# Altium PCB PCB_SensorBoard.PcbDoc (part 2 of 2)
Units mm, origin at the board's own origin, x right, y up, seen from the top; angles counter-clockwise.
Board outline 90.42 x 62.7 mm, 4 copper layers (Top Layer, Layer 1, Layer 2, Bottom Layer), stack 1.586 mm thick; 112 components, 98 nets, 710 pads, 372 vias.
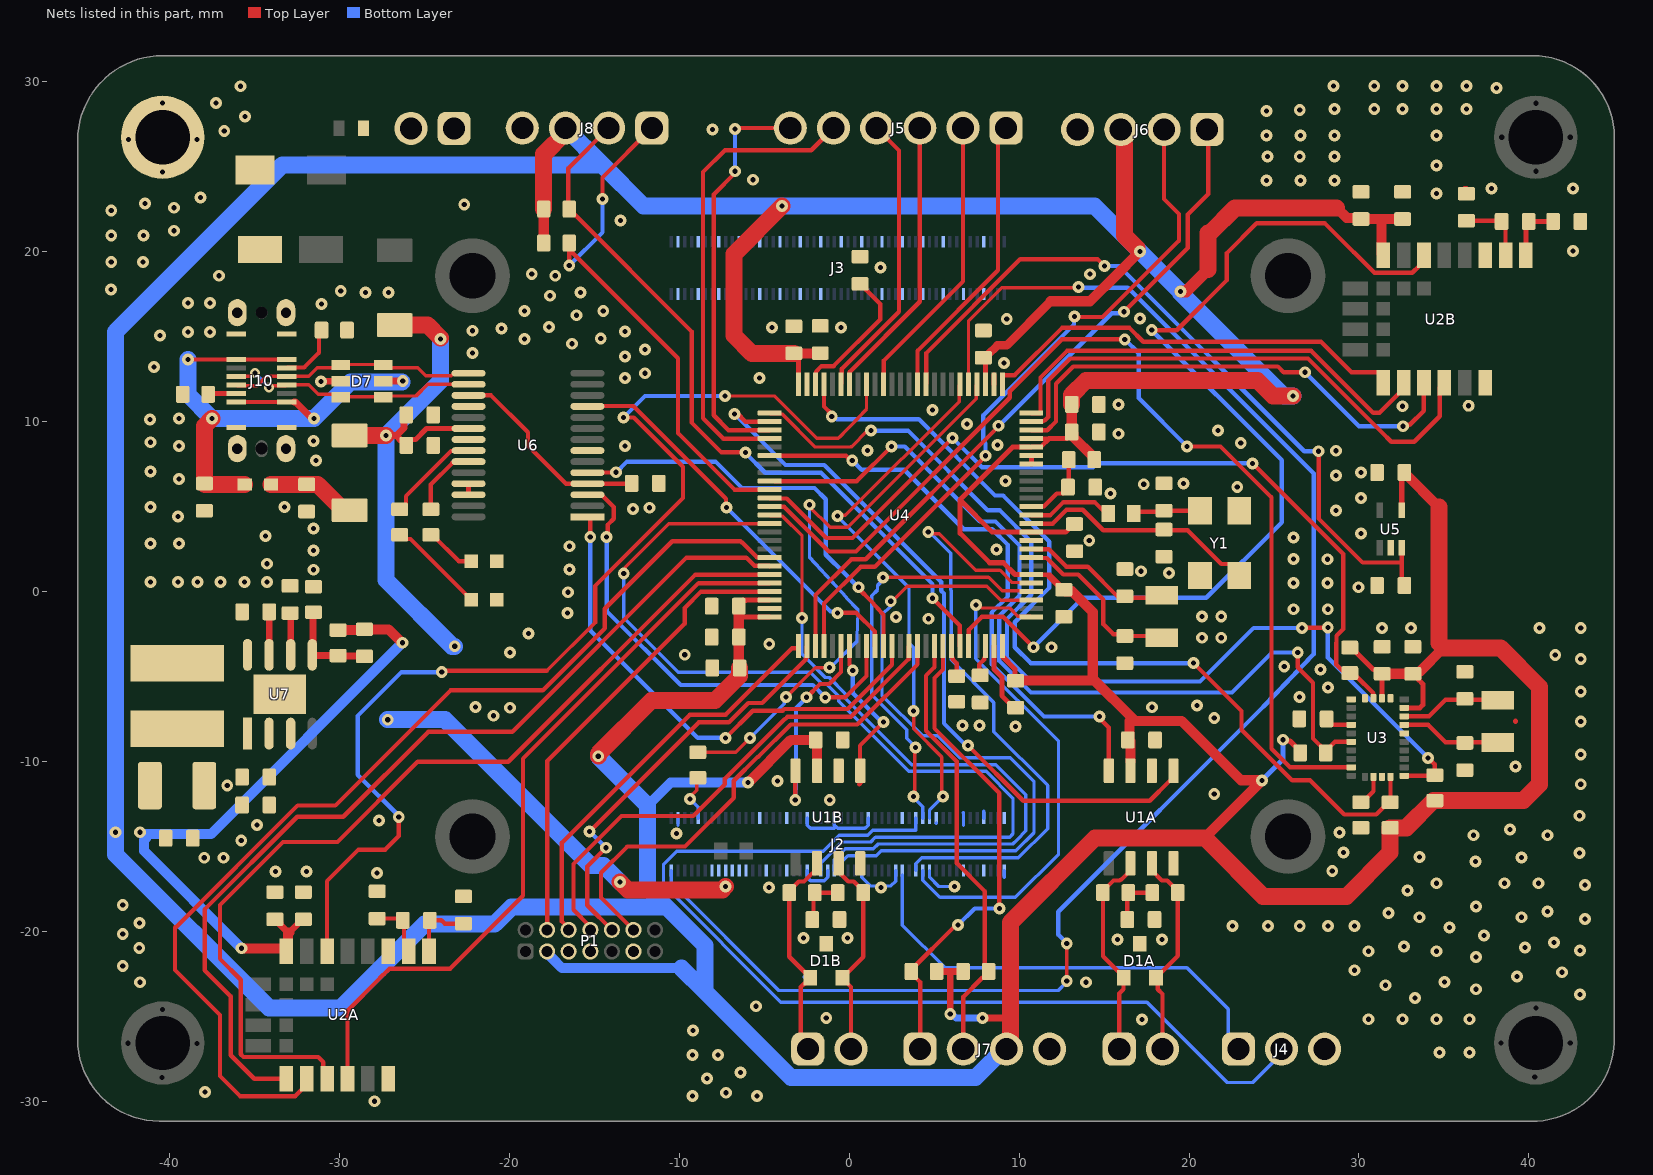
[diagram p4: the nets of this part, all layers, seen from the top]

## Via types
v1: diameter 0.7, hole 0.3, Top Layer to Bottom Layer, tented both sides, 370 vias
v2: diameter 0.6, hole 0.3, Top Layer to Bottom Layer, tented both sides, 2 vias

## Nets (pads, with @x,y where several pads share a name; then routed paths per layer and width w, separated by ;. In a path a pad name is that pad's centre, name@x,y a point inside that pad or via, vN(x,y) a via of type N, cw(c..) or ccw(c..) an arc to the next point about the centre after c; other vN are vias at no path point) (continued)
+3V3: C1A.2 C1B.2 C3A.2 C3B.2 C4A.1 C4B.1 C8.2 C9.2 C13.2 C22.2 C23.2 C24.2 C25.2 C26.2 C27.2 C28.2 C29.2 C30.2 C31.2 C32.2 C42.2 C47.2 C48.2 J6.3 J7.3 J8.3 L2.2 P1.3 R3.2 R4.2 R5.2 R6.2 R8.2 R13.2 R14.2 R15.2 R16.2 R20.2 U1A.3 U1B.3 U2A.8 U2B.8 U3.3 U3.28 U4.6 U4.11 U4.21 U4.22 U4.28 U4.50 U4.73 U4.75 U4.100 U5.4 | length 504.4
  Top Layer w0.254: U4.21@10.587,8.488 U4.21@10.719,8.488 10.742,8.511 11.292,8.511 11.769,8.988 U4.22@10.719,8.988 ; U4.6@10.994,0.988 11.713,0.988 11.782,0.919
  Top Layer w0.3: U4.75@-4.681,-1.512 -6.449,-1.512 -6.449,-0.916 C27.2@-6.494,-0.871 -6.494,-0.771 -6.244,-0.521 -6.077,-0.521 -6.068,-0.512 U4.73@-4.681,-0.512 ; U4.50@-2.981,12.188 C24.2@-2.981,13.783 ; 6.516,5.389 9.615,8.488 U4.21@10.587,8.488 ; U4.28@8.019,12.188 C23.2@8.019,13.751 ; U4.100@9.019,-3.212 9.019,-3.837 9.757,-4.575 9.757,-5.213 C30.2@9.793,-5.249 ; U4.6@10.994,0.988 U4.6@10.719,0.988 9.763,0.988 9.064,1.687 8.267,1.687 6.531,3.422 6.531,5.374 8.417,3.488 U4.11@10.719,3.488 12.74,3.488 12.915,3.664 12.915,3.716 13.117,3.918 C22.2@13.214,3.918 ; 11.648,-5.249 11.748,-5.249 ; 11.769,8.988 12.805,8.988 C32.2@12.987,9.171 ; v1(25.527,-8.731) 25.604,-8.808 25.947,-8.808 26.54,-9.401 R6.2@26.54,-9.501 ; R3.2@29.457,-3.301 29.557,-3.301 29.807,-3.551 29.807,-3.564 30.843,-4.601 31.015,-4.601 C9.2@31.357,-4.943 ; U3.3@31.357,-6.288 C9.2@31.357,-4.86 ; U5.4@32.516,4.771 32.516,6.846 C13.2@32.666,6.996 ; U3.28@32.669,-6.85 33.581,-6.85 33.757,-6.674 33.757,-5.443 33.515,-5.201 33.515,-5.101 33.265,-4.851 C8.2@33.165,-4.851
  Top Layer w0.4: C3A.2@-33.795,-19.298 -33.695,-19.298 -33.495,-19.498 -33.495,-19.598 -33.016,-20.077 -32.951,-20.077 -32.42,-19.546 -32.42,-19.498 -32.22,-19.298 C4A.1@-32.12,-19.298 ; C48.2@-28.575,-2.275 C48.2@-28.525,-2.225 ; R16.2@-18.025,20.45 -18.028,20.453 R16.2@-17.975,20.505 ; R14.2@5.15,-22.366 5.95,-22.366 ; v1(5.95,-24.875) 5.95,-22.366 ; R13.2@6.707,-22.366 5.95,-22.366 ; v1(7.834,-25.1) 9.482,-25.1 ; J7.3@9.253,-26.936 J7.3@9.482,-26.707 ; 11.782,0.919 C31.2@12.433,0.268 ; 21.127,21.085 21.227,21.085
  Top Layer w0.5: C23.2@7.996,13.852 8.046,13.902 8.146,13.902 8.722,14.478 9.272,14.478 11.864,17.07
  Top Layer w0.6: v1(-35.765,-21) -35.746,-21.019 -33.225,-21.019 -33.125,-21.119 U2A.8@-33.125,-21.175 -33.025,-21.075 -33.025,-20.151 -32.951,-20.077 ; R20.2@-30.075,-2.275 C48.2@-28.575,-2.275 ; C48.2@-28.525,-2.225 -28.335,-2.225 -28.325,-2.235 -27.106,-2.235 -26.319,-3.022 v1(-26.292,-3.022) ; R16.2@-17.975,20.505 R15.2@-17.975,22.5 ; C29.2@-6.494,-4.502 C26.2@-6.494,-2.689 C27.2@-6.494,-1.071 ; v1(-5.945,-11.252) -3.432,-8.739 C1B.2@-1.977,-8.739 -1.888,-8.828 U1B.3@-1.888,-10.557 ; C24.2@-3.261,14.007 -2.981,14.007 C25.2@-1.717,14.007 ; C23.2@7.896,13.752 C23.2@7.996,13.852 ; C30.2@9.793,-5.249 11.648,-5.249 ; 11.748,-5.249 14.332,-5.249 ; 11.864,17.07 14.169,17.07 15.765,18.666 v1@16.936,19.837 ; C31.2@12.633,0.106 12.733,0.006 13.112,0.006 14.332,-1.214 14.332,-5.249 ; C32.2@13.092,9.375 C32.2@13.095,9.371 ; C28.2@13.095,11.004 C32.2@13.095,9.371 ; R8.2@14.425,7.755 14.325,7.855 14.325,7.955 13.192,9.088 13.192,9.275 C32.2@13.095,9.371 ; 16.497,-7.62 16.497,-8.762 16.547,-8.812 U1A.3@16.547,-10.012 ; 20.924,-14.505 24.288,-11.141 v1(24.288,-11.116) 23.055,-11.116 19.559,-7.62 16.828,-7.62 16.662,-7.454 14.458,-5.249 14.332,-5.249 ; 28.675,22.575 29.271,21.979 30.055,21.979 C4B.1@30.12,21.913 31.325,21.913 ; C9.2@31.365,-4.851 C8.2@33.165,-4.851 33.265,-4.751 33.545,-4.751 34.977,-3.319 ; U2B.8@31.425,19.774 31.325,19.874 31.325,21.913 ; C3B.2@32.598,21.913 31.325,21.913 ; C13.2@32.666,6.996 34.7,4.962 ; R4.2@34.386,-12.309 R4.2@34.46,-12.309
  Top Layer w0.7: v1(19.506,17.654) 19.833,17.654 21.127,18.948
  Top Layer w1: R15.2@-17.975,22.5 -17.975,25.728 -16.695,27.008 J8.3@-16.695,27.265 ; v1(-14.766,-9.699) -14.766,-9.558 -11.634,-6.427 -7.896,-6.427 -6.452,-4.982 C29.2@-6.452,-4.502 ; v1(-3.953,22.673) -6.782,19.844 -6.782,15.06 -5.729,14.007 C24.2@-3.261,14.007 ; J7.3@9.482,-26.707 9.482,-25.1 9.482,-19.498 14.475,-14.505 20.924,-14.505 ; C28.2@13.095,11.004 13.095,11.568 13.936,12.409 24.03,12.409 24.94,11.499 v1(26.111,11.499) ; J6.3@15.983,27.18 16.165,26.998 16.165,26.326 16.189,26.301 16.189,20.944 v1@16.936,20.198 ; 21.127,18.948 21.127,21.085 ; 21.204,-14.785 24.363,-17.944 29.262,-17.944 31.834,-15.372 R5.2@31.834,-13.911 32.784,-13.911 R4.2@34.386,-12.309 ; 21.227,21.085 22.717,22.575 28.675,22.575 ; R4.2@34.46,-12.309 39.668,-12.309 40.627,-11.35 40.627,-5.627 38.319,-3.319 34.977,-3.319 34.7,-3.042 34.7,4.962
  Bottom Layer w0.3: v1(24.288,-11.116) 25.527,-9.877 v1(25.527,-8.731)
  Bottom Layer w0.4: v1(5.95,-24.875) 6.058,-24.875 6.283,-25.1 v1(7.834,-25.1)
  Bottom Layer w0.6: v1(-41.725,-14.175) -41.375,-14.525 ; -41.5,-14.668 -41.5,-15.265 v1(-35.765,-21) ; -41.375,-14.283 -37.552,-14.283 v1(-26.292,-3.022) ; P1.3@-17.774,-21.187 -17.774,-21.282 -17.479,-21.577 -17.479,-21.591 -16.908,-22.162 -9.878,-22.162 ; -11.862,-12.603 -10.512,-11.252 v1(-5.945,-11.252)
  Bottom Layer w1: J8.3@-16.695,27.265 -14.535,25.105 ; v1(-14.766,-9.699) -11.862,-12.603 -11.862,-17.463 -10.748,-18.577 ; -9.878,-22.162 -8.491,-23.55 ; J7.3@9.253,-26.936 9.103,-26.936 7.428,-28.611 -3.43,-28.611 -8.491,-23.55 ; v1(26.111,11.499) 25.581,11.499 19.506,17.574 v1(19.506,17.654) 19.461,17.654 v1(17.107,20.008) 14.442,22.673 v1(-3.953,22.673) -12.103,22.673 -14.535,25.105 ; -14.535,25.105 -33.345,25.105 -43.175,15.275 -43.175,0.214 v1(-43.175,-14.175) -43.175,-15.475 -34.129,-24.521 -29.917,-24.521 -24.977,-19.581 -20.862,-19.581 -19.858,-18.577 -10.748,-18.577 ; -10.748,-18.577 -8.491,-20.835 -8.491,-23.55
+5V: C35.2 C36.2 C40.2 C41.2 D3.1 D4.1 D5.2 D6.2 J2.77 J2.79 J2.81 J2.83 J2.85 J2.87 U6.20 U7.2 U7.3 | length 56.9
  Top Layer w0.3: C36.2@-25.944,8.803 -25.819,8.928 -25.526,8.928 -24.867,9.586 U6.20@-22.401,9.586
  Top Layer w0.4: v1(-27.262,9.175) -26.651,9.175 ; C36.2@-26.069,8.593 -26.069,8.693 -26.269,8.893 -26.369,8.893 -26.651,9.175 ; C35.2@-26.069,10.387 -26.195,10.261 -26.195,9.623 -26.643,9.175 -26.651,9.175
  Top Layer w1: D4.1@-29.05,9.175 v1(-27.262,9.175) ; D3.1@-26.75,15.675 -24.802,15.675 v1@-24.048,14.922 ; v1(-13.491,-17.099) -13.024,-17.565 -7.464,-17.565 v1(-7.272,-17.373)
  Bottom Layer w1: v1(-27.155,-7.55) -23.788,-7.55 -15.205,-16.134 -14.456,-16.134 v1(-13.491,-17.099) ; v1(-24.048,14.843) -24.048,12.389 v1(-27.262,9.175) -27.262,0.67 -23.363,-3.23 v1(-23.213,-3.23)
ADC1_INP9: C14.2 U4.35 U5.3 | length 44.1
  Top Layer w0.254: U4.35@4.519,12.188 4.542,12.211 4.542,14.034 10.063,19.555 14.618,19.555 v1(15.028,19.144) ; v1(27.625,8.247) 27.625,4.287 30.212,1.7 32.466,1.7 32.516,1.65 ; U5.3@32.516,2.571 32.516,0.496 C14.2@32.666,0.346
  Bottom Layer w0.254: v1(15.028,19.144) 15.878,19.144 26.775,8.247 v1(27.625,8.247)
ANT_RFA: C6A.1 C7A.1 U2A.2 | length 3.5
  Top Layer w0.254: C7A.1@-27.775,-19.253 -26.375,-19.253 C6A.1@-26.275,-19.353 -26.198,-19.43 -26.198,-20.902 U2A.2@-25.925,-21.175
ANT_RFB: C6B.1 C7B.1 U2B.2 | length 4.2
  Top Layer w0.254: C7B.1@36.32,21.808 C6B.1@38.423,21.808 ; C6B.1@38.4,21.744 38.476,21.744 38.625,21.595 U2B.2@38.625,19.774
BNO_CAP: C10.2 U3.9 | length 1.6
  Top Layer w0.254: C10.2@28.09,-7.496 28.09,-7.577 28.363,-7.85 U3.9@29.545,-7.85
BNO_COM3: R7.2 U3.17 | length 1.9
  Top Layer w0.254: R7.2@30.108,-12.411 30.208,-12.411 30.857,-11.763 U3.17@30.857,-10.913
BNO_XTAL_IN: C11.1 U3.27 Y3.1 | length 5.3
  Top Layer w0.254: U3.27@32.669,-7.35 34.115,-7.35 35.091,-6.374 35.491,-6.374 C11.1@35.96,-6.374 ; C11.1@36.23,-6.374 Y3.1@37.861,-6.374
BNO_XTAL_OUT: C12.1 U3.26 Y3.2 | length 5.3
  Top Layer w0.254: U3.26@32.669,-7.85 34.068,-7.85 35.091,-8.874 35.491,-8.874 35.497,-8.868 Y3.2@37.59,-8.868
BRIDGE_3V3: C34.2 U6.4 U6.17 | length 12.2
  Top Layer w0.254: U6.17@-22.401,11.536 -21.076,11.536 -18.9,9.361 -18.9,8.575 -16.661,6.336 -12.822,6.336 C34.2@-12.803,6.356
CA_N: D1A.1 J1A.1 R1A.2 U1A.6 | length 12.5
  Top Layer w0.254: J1A.1@15.895,-26.936 15.895,-23.664 16.146,-23.412 16.146,-22.75 D1A.1@16.161,-22.735 ; D1A.1@16.156,-22.73 16.156,-22.68 15.883,-22.407 15.869,-22.407 14.931,-21.468 R1A.2@14.931,-17.73 14.931,-17.63 15.552,-17.009 15.918,-17.009 15.974,-16.953 16.026,-16.953 16.547,-16.432 U1A.6@16.547,-16.007
CA_P: D1A.2 J1A.2 R2A.1 U1A.7 | length 12.5
  Top Layer w0.254: U1A.7@17.817,-16.007 17.817,-16.432 18.394,-17.009 18.723,-17.009 19.344,-17.63 R2A.1@19.344,-17.73 19.344,-21.443 18.379,-22.407 18.329,-22.407 18.056,-22.68 D1A.2@18.056,-22.73 18.161,-22.835 18.161,-23.412 18.435,-23.686 J1A.2@18.435,-26.936
CAN1_RX: U1B.4 U4.81 | length 12.2
  Top Layer w0.254: v1(-3.177,-12.28) U1B.4@-3.177,-10.621 ; v1(-2.501,-6.228) -1.718,-5.445 -1.178,-5.445 -0.481,-4.747 U4.81@-0.481,-3.212
  Bottom Layer w0.254: v1(-3.177,-12.28) -3.177,-11.682 -3.129,-11.634 -3.129,-6.879 -2.501,-6.252 v1(-2.501,-6.228)
CAN1_TX: U1B.1 U4.82 | length 8.6
  Top Layer w0.254: U4.82@0.019,-3.212 0.019,-4.336 0.207,-4.523 v1(0.207,-4.644) ; 0.592,-11.345 U1B.1@0.762,-11.175 ; U1B.1@0.633,-10.151 0.633,-9.075 v1(2.019,-7.689)
  Bottom Layer w0.254: v1(0.207,-4.644) 0.207,-5.981 1.916,-7.689 v1(2.019,-7.689)
CAN2_RX: U1A.4 U4.56 | length 34.6
  Top Layer w0.254: U4.56@-4.681,7.988 -0.189,7.988 0.085,7.714 v1(0.183,7.714) ; v1(14.719,-7.357) 14.719,-7.455 15.277,-8.013 U1A.4@15.277,-10.557
  Bottom Layer w0.254: v1(0.183,7.714) 0.732,7.164 3.235,7.164 6.742,3.657 8.419,3.657 9.339,2.737 9.339,-0.293 8.383,-1.249 8.383,-4.279 11.461,-7.357 v1(14.719,-7.357)
CAN2_TX: U1A.1 U4.52 | length 43.3
  Top Layer w0.254: v1(-6.757,10.45) -6.562,10.45 -6.1,9.988 U4.52@-4.681,9.988 ; v1(6.986,-9.069) 10.242,-12.325 17.682,-12.325 18.851,-11.155 18.914,-11.155 19.087,-10.982 U1A.1@19.087,-10.557
  Bottom Layer w0.254: v1(-6.757,10.45) -3.749,7.442 -1.473,7.442 5.42,0.549 5.42,0.032 5.574,-0.122 5.574,-7.767 6.877,-9.069 v1(6.986,-9.069)
CAN_CLA: C2A.2 R1A.1 R2A.2 | length 3
  Top Layer w0.254: C2A.2@16.369,-19.313 16.369,-17.792 R1A.1@16.431,-17.73 R2A.2@17.844,-17.73
CAN_CLB: C2B.2 R1B.1 R2B.2 | length 3
  Top Layer w0.254: C2B.2@-2.172,-19.313 -2.099,-19.24 -2.099,-17.803 R1B.1@-2.026,-17.73 R2B.2@-0.671,-17.73
CB_N: D1B.1 J1B.1 R1B.2 U1B.6 | length 12.7
  Top Layer w0.254: J1B.1@-2.435,-26.936 -2.847,-26.525 -2.847,-23.281 -2.619,-23.053 -2.569,-23.053 D1B.1@-2.296,-22.78 ; D1B.1@-2.296,-22.73 -3.526,-21.501 R1B.2@-3.526,-17.73 -3.526,-17.63 -2.969,-17.073 -2.658,-17.073 -2.19,-16.605 -2.061,-16.605 -1.907,-16.451 U1B.6@-1.907,-16.071
CB_P: D1B.2 J1B.2 R2B.1 U1B.7 | length 12.6
  Top Layer w0.254: U1B.7@-0.508,-15.943 -0.637,-16.071 -0.637,-16.496 -0.06,-17.073 0.272,-17.073 0.829,-17.63 R2B.1@0.829,-17.73 0.829,-21.505 D1B.2@-0.396,-22.73 -0.396,-22.78 0.105,-23.281 J1B.2@0.105,-26.936
Global_En: J2.99 U4.30 | length 92.6
  Top Layer w0.2: U4.30@7.019,12.188 7.019,15.907 8.986,17.874 13.445,17.874 v1(13.492,17.92) ; v1(12.802,-22.929) v1(12.802,-20.73)
  Bottom Layer w0.2: J2.99@-10.472,-16.426 -10.472,-17.157 -4.142,-23.486 12.299,-23.486 12.802,-22.983 v1(12.802,-22.929) ; v1(13.492,17.92) v1@13.539,17.874 ; 24.356,-6.801 24.368,-6.79
  Bottom Layer w0.254: v1(12.802,-20.73) 12.802,-20.696 12.302,-20.196 12.302,-18.855 24.356,-6.801 ; v1@13.539,17.874 16.401,17.874 27.335,6.94 27.335,-3.69 24.368,-6.789
GND: C1A.1 C1B.1 C2A.1 C2B.1 C3A.1 C3B.1 C4A.2 C4B.2 C5A.1 C5B.1 C7A.2 C7B.2 C8.1 C9.1 C10.1 C11.2 C12.2 C13.1 C14.1 C15.2 C16.2 C17.2 C18.2 C19.1 C20.1 C21.1 C22.1 C23.1 C24.1 C25.1 C26.1 C27.1 C28.1 C29.1 C30.1 C31.1 C32.1 C33.2 C34.1 C35.1 C36.1 C37.1 C38.1 C40.1 C41.1 C42.1 C47.1 C49.1 D1A.3 D1B.3 D2.1 D7.2 J2.1 J2.2 J2.7 J2.8 J2.13 J2.14 J2.22 J2.23 J2.32 J2.33 J2.42 J2.43 J2.52 J2.53 J2.59 J2.60 J2.65 J2.66 J2.71 J2.74 J2.98 J3.7 J3.8 J3.13 J3.14 J3.19 J3.20 J3.25 J3.26 J3.31 J3.32 J3.37 J3.38 J3.44 J3.50 J3.55 J3.56 J3.61 J3.62 J3.67 J3.68 J3.73 J3.74 J3.79 J3.80 J3.85 J3.86 J3.91 J3.92 J3.97 J3.98 J4.3 J6.4 J7.4 J8.4 J9.1 J10.1 J10.2 J10.3 J10.4 J10.A1 J10.A12 J10.B1 J10.B12 P1.5 P1.7 P1.11 pad.7 pad.20 pad.23 pad.26 pad.27 pad.52 R7.1 R10.1 R21.2 R22.2 R23.1 U1A.2 U1A.8 U1B.2 U1B.8 U2A.3 U2A.18 U2B.3 U2B.18 U3.2 U3.5 U3.6 U3.18 U3.25 U4.10 U4.19 U4.20 U4.27 U4.49 U4.74 U4.99 U5.2 U6.7 U6.18 U6.21 U6.25 U6.26 U7.1 U7.9 Y1.2 Y1.4 | length 27.7
  Top Layer w0.2: pad.7@-40.4,26.725 -39.507,27.618 pad.7@-39.507,28.218
  Top Layer w0.254: C41.1@-35.775,-12.3 C41.1@-35.775,-12.2 ; v1@-34.928,-13.665 v1(-34.842,-13.75)
  Top Layer w0.3: C36.1@-24.469,8.593 C36.1@-24.469,8.686 ; C35.1@-24.469,10.387 C35.1@-24.382,10.474 ; U6.18@-22.42,10.867 U6.18@-22.401,10.886 ; U6.26@-22.401,5.686 U6.25@-22.401,6.336 U6.25@-21.573,6.336 ; C34.1@-11.425,6.578 C34.1@-11.203,6.356 ; U1B.2@-0.673,-10.565 U1B.2@-0.591,-10.483 ; U4.99@8.519,-3.212 8.519,-4.574 8.981,-5.036 8.981,-6.137 9.693,-6.849 C30.1@9.793,-6.849 ; U4.27@8.519,12.188 U4.27@8.519,12.738 ; v1(8.662,2.457) v1@8.731,2.457 ; U4.19@10.719,7.488 U4.20@10.719,7.988 ; C21.1@14.475,6.135 C21.1@14.645,6.305 ; v1@28.18,-5.7 v1(28.18,-5.665) ; U3.5@30.332,-6.35 30.357,-6.325 U3.5@30.357,-6.288 ; C14.1@31.066,0.246 C14.1@31.066,0.346 ; C13.1@31.066,6.996 C13.1@31.207,6.855 ; C7B.2@36.22,23.717 C7B.2@36.32,23.717 ; 39.199,-7.647 39.208,-7.638 39.199,-7.629
  Top Layer w0.4: pad.7@-40.4,26.725 -40.193,26.725 pad.7@-39.737,27.181 ; v1(-31.073,12.363) -31.07,12.366 -29.865,12.366 D7.2@-29.862,12.363
  Top Layer w0.6: J10.4@-36.005,8.4 J10.4@-36.005,8.515 ; J10.2@-33.145,8.4 J10.2@-33.145,8.515
  Bottom Layer w0.2: -10.072,-13.749 J2.98@-10.072,-13.346 ; J2.59@-2.472,-16.426 -2.472,-16.829 -2.275,-17.026 -1.468,-17.026 -1.272,-16.829 J2.53@-1.272,-16.426 ; J2.60@-2.472,-13.346 -2.472,-13.749 -2.275,-13.946 -0.872,-13.946 -0.773,-13.848 ; J2.52@-0.872,-13.346 -0.872,-13.749 -0.773,-13.848 ; J2.43@0.728,-16.426 0.728,-16.829 1.233,-17.334 1.781,-17.334 v1(1.877,-17.43) 1.973,-17.334 2.449,-17.334 2.728,-17.055 J2.33@2.728,-16.426 ; J2.42@1.128,-13.346 1.128,-13.749 0.932,-13.946 -0.675,-13.946 -0.773,-13.848 ; J2.23@4.728,-16.426 4.728,-16.829 5.265,-17.366 v1(6.194,-17.366) ; J2.14@6.72,-13.029 6.728,-13.037 J2.14@6.728,-13.346 6.728,-13.749 ; J2.8@7.928,-13.346 7.928,-12.942 ; 9.128,-16.829 J2.1@9.128,-16.426 ; v1(13.925,-23) v1@13.961,-22.964 ; 15.859,-22.964 15.895,-22.929
  Bottom Layer w0.3: -2.586,-22.691 -2.509,-22.768 ; v1@8.657,2.462 v1(8.662,2.457)
  other v1: -27.925,-30.002 -9.225,-29.7 -5.425,-29.7 -7.25,-29.5 -37.9,-29.45 -8.375,-28.675 -6.4,-28.3 -9.225,-27.284 -7.723,-27.284 34.745,-27.125 36.5,-27.125 -9.2,-25.85 17.225,-25.2 30.555,-25.175 32.555,-25.175 34.555,-25.175 36.5,-25.175 -1.35,-25.1 -5.49,-24.41 33.296,-23.925 43,-23.725 36.891,-23.413 31.555,-23.175 -41.725,-23 35.025,-22.975 39.3,-22.65 41.95,-22.409 29.73,-22.293 -42.75,-22.05 36.891,-21.519 30.555,-21.175 34.555,-21.175 43,-21.123 -41.775,-20.975 39.767,-20.96 32.65,-20.9 41.475,-20.65 15.8,-20.475 18.414,-20.475 -2.69,-20.4 -0.1,-20.4 37.35,-20.25 -42.75,-20.15 35.325,-19.775 22.557,-19.688 24.638,-19.688 26.514,-19.688 28.178,-19.688 29.73,-19.688 -41.762,-19.506 43.3,-19.285 33.555,-19.175 39.555,-19.175 31.725,-18.925 41.095,-18.826 36.891,-18.548 -42.75,-18.45 32.845,-17.6 -4.722,-17.419 43.3,-17.288 34.555,-17.175 38.555,-17.175 40.555,-17.175 -27.775,-16.566 -33.76,-16.486 -31.925,-16.486 28.425,-16.45 36.849,-15.888 -37.95,-15.675 -36.825,-15.675 39.555,-15.661 33.555,-15.626 42.975,-15.396 29.092,-15.372 -35.775,-14.666 36.728,-14.348 41.095,-14.348 -10.151,-14.257 28.857,-14.19 38.875,-14.01 -27.675,-13.471 42.975,-13.2 -1.142,-12.28 21.483,-11.916 -36.6,-11.425 43.05,-11.35 -4.219,-11.146 39.208,-10.297 43.05,-9.597 9.793,-7.954 6.68,-7.896 7.665,-7.896 43.05,-7.647 21.483,-7.445 -20.934,-7.317 -19.952,-6.846 17.817,-6.82 -21.983,-6.791 20.477,-6.725 26.49,-6.223 43.05,-5.901 27.735,-4.601 25.604,-4.429 43.05,-3.982 -9.679,-3.727 41.55,-3.75 -19.952,-3.6 11.913,-3.287 -4.704,-3.089 20.77,-2.725 21.894,-2.725 -18.877,-2.475 31.365,-2.151 33.055,-2.151 40.627,-2.15 43.05,-2.15 4.67,-1.612 2.75,-1.5 20.77,-1.475 21.894,-1.475 -16.575,-1.281 26.15,-1.05 28.165,-1.05 -16.538,-0.05 29.962,0.246 26.15,0.496 28.149,0.496 -41.125,0.542 -39.5,0.542 -38.344,0.542 -36.994,0.542 -35.575,0.542 -34.25,0.542 18.811,1.078 17.182,1.187 -31.525,1.275 -16.468,1.281 -34.25,1.625 28.149,1.893 26.15,1.915 -31.525,2.4 -16.468,2.656 -41.125,2.825 -39.445,2.825 14.127,2.988 26.15,3.171 -34.35,3.25 30.123,3.396 -31.525,3.707 -39.5,4.4 28.65,4.771 -12.718,4.852 -11.75,4.925 -41.125,4.975 -33.225,4.975 30.123,5.496 15.37,5.762 22.836,6.146 17.335,6.305 19.677,6.354 9.187,6.488 -39.445,6.61 28.65,6.816 30.123,6.996 -41.125,7.05 -31.381,7.703 28.65,8.275 1.073,8.302 -39.445,8.55 -13.199,8.558 8.725,8.609 23.045,8.737 -41.125,8.775 -31.53,8.861 15.843,9.275 21.697,9.476 6.932,9.858 -41.15,10.125 -39.445,10.175 4.904,10.686 32.554,10.896 15.843,11.004 -5.287,12.55 -13.199,12.569 -12.011,12.836 -40.9,13.2 9.113,13.452 -13.199,13.811 -22.172,14.019 -12.025,14.225 -16.3,14.575 -19.1,14.843 -14.617,14.879 -40.55,15.05 -38.909,15.275 -37.625,15.275 -13.199,15.297 -22.172,15.341 -20.45,15.475 -17.675,15.55 -4.539,15.534 -0.481,15.534 9.272,16.027 17.107,16.056 -16.05,16.25 -19.1,16.5 -14.475,16.5 -31.05,16.905 -38.909,16.97 -37.625,16.97 -17.6,17.4 -28.473,17.601 -27.1,17.601 -15.8,17.601 -29.922,17.675 -43.45,17.775 -37.075,18.575 -17.3,18.574 -18.679,18.675 14.169,18.666 1.85,19.05 -43.425,19.375 -41.55,19.375 42.604,20.024 -43.425,20.95 -41.525,20.95 -39.737,21.225 -13.45,21.829 -43.425,22.425 -39.737,22.575 -22.65,22.775 -41.445,22.825 -38.175,23.175 34.555,23.408 37.797,23.717 42.604,23.717 24.555,24.188 26.555,24.188 28.555,24.188 -5.672,24.225 34.555,25.068 24.625,25.6 26.514,25.6 28.555,25.6 24.555,26.825 26.555,26.825 28.555,26.825 34.555,26.825 -36.775,27.1 -8.046,27.18 -35.55,27.95 24.555,28.268 26.514,28.317 28.555,28.382 30.895,28.382 32.57,28.382 34.555,28.382 36.32,28.382 -37.25,28.75 38.096,29.624 -35.825,29.725 28.5,29.75 30.895,29.75 32.57,29.75 34.555,29.75 36.32,29.75
I2C2_SCL: R5.1 U3.19 U4.47 | length 53.6
  Top Layer w0.254: U4.47@-1.481,12.188 -1.481,10.879 -1.025,10.423 v1(-1.025,10.302) ; v1(20.27,-4.222) 23.084,-7.036 23.084,-8.137 26.063,-11.116 27.12,-11.116 29.134,-13.13 31.015,-13.13 31.461,-12.685 31.734,-12.412 R5.1@31.834,-12.412 31.857,-12.388 U3.19@31.857,-10.913
  Bottom Layer w0.254: v1(-1.025,10.302) -0.904,10.302 -0.74,10.138 4.093,10.138 8.584,5.646 9.059,5.646 11.782,2.924 11.782,0.223 9.745,-1.813 9.745,-3.287 10.68,-4.222 v1(20.27,-4.222)
I2C2_SDA: R4.1 U3.20 U4.51 | length 60.3
  Top Layer w0.2: U4.51@-4.681,10.488 -4.631,10.438 -3.949,10.438 -2.006,8.495 0.077,8.52 0.158,8.521 0.217,8.58 1.014,9.399 1.073,9.458 v1(1.275,9.461)
  Top Layer w0.254: v1(26.65,-2.151) 26.665,-2.136 28.149,-2.136 v1(28.165,-2.121) ; U3.20@32.669,-10.85 34.122,-10.85 R4.1@34.16,-10.888 ; v1(34.068,-9.795) 34.45,-10.177 34.45,-10.799 R4.1@34.46,-10.809
  Bottom Layer w0.254: v1(1.275,9.461) 3.465,9.461 8.159,4.767 8.868,4.767 10.719,2.915 10.719,-0.197 9.291,-1.625 9.291,-3.903 10.692,-5.303 20.647,-5.303 23.799,-2.151 v1(26.65,-2.151) ; v1(28.165,-2.121) 28.165,-3.891 v1(34.068,-9.795)
INT_ANTA: C5A.2 C6A.2 U2A.1 | length 3.9
  Top Layer w0.254: U2A.1@-24.725,-21.175 C6A.2@-24.725,-19.353 ; C6A.2@-24.675,-19.353 -24,-19.353 -23.802,-19.55 C5A.2@-22.7,-19.55
INT_ANTB: C5B.2 C6B.2 U2B.1 | length 3.4
  Top Layer w0.3: U2B.1@39.825,19.774 C6B.2@39.825,21.767 ; C6B.2@39.988,21.767 C5B.2@41.425,21.767
JTCK_SWCLK: P1.6 U4.76 | length 24.1
  Top Layer w0.254: P1.6@-16.504,-19.917 -16.504,-19.825 -16.908,-19.421 -16.908,-14.789 -9.373,-7.254 -7.27,-7.254 -3.363,-3.347 -3.004,-3.347 -2.981,-3.324 U4.76@-2.981,-3.212 ; U4.76@-3.004,-2.677 U4.76@-2.981,-2.7
JTDI: P1.10 U4.77 | length 25
  Top Layer w0.254: v1(-15.271,-14.126) -8.852,-7.708 -7.082,-7.708 -5.945,-6.571 -5.12,-6.571 -2.554,-4.005 -2.554,-3.933 -2.504,-3.883 -2.504,-3.235 U4.77@-2.481,-3.212 ; v1(-14.314,-15.084) -15.416,-16.186 -15.416,-18.466 P1.10@-13.964,-19.917
  Bottom Layer w0.254: v1(-15.271,-14.126) v1(-14.314,-15.084)